# KiCad board Eclipse65.kicad_pcb (continued)
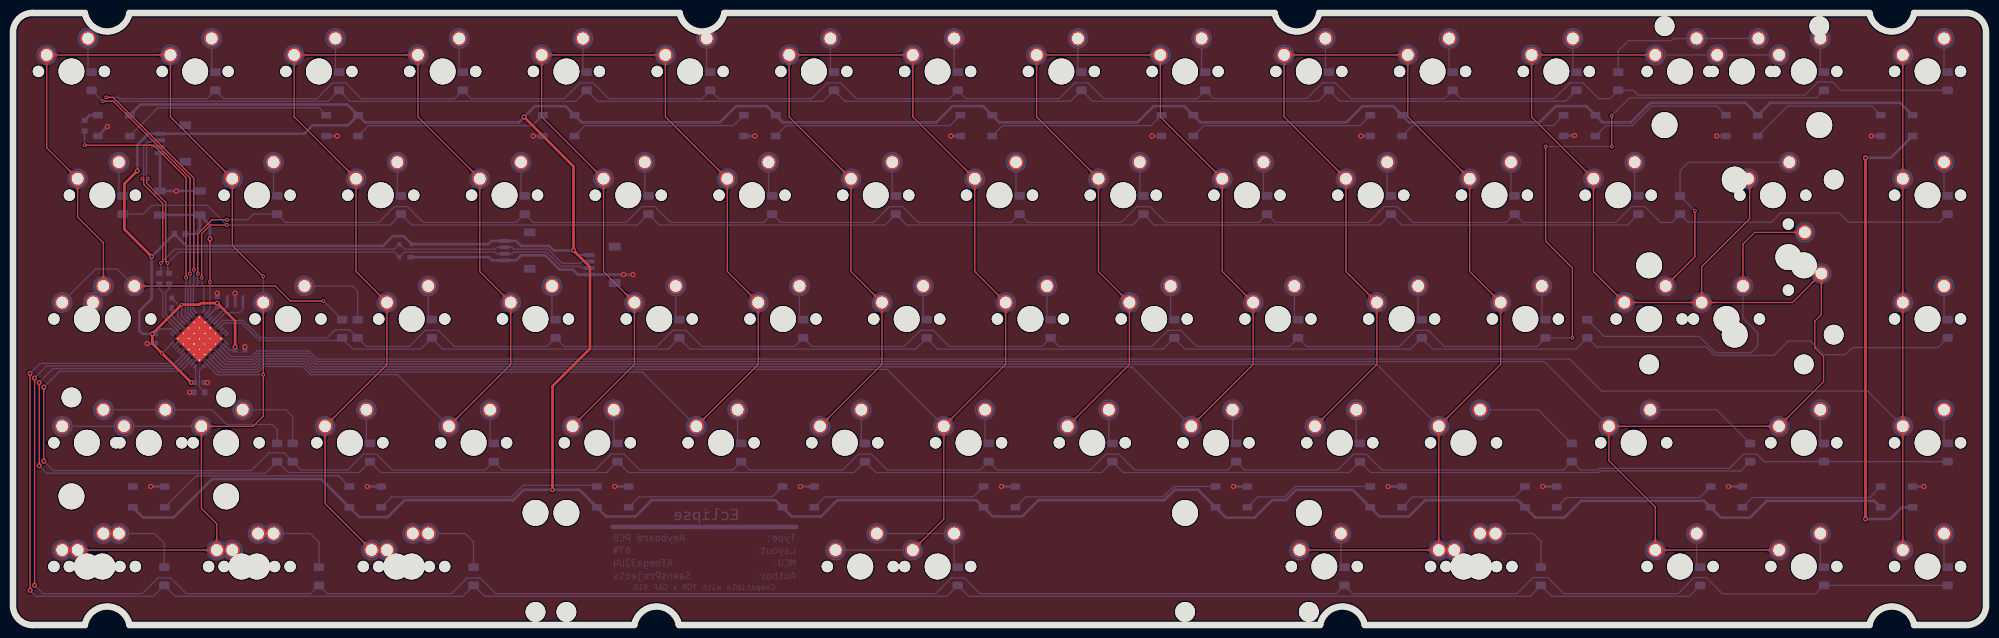
[diagram p0: board, top side]
## Copper pours and planes (outline as drawn; the poured copper is in the pictures) (continued)
Net-(D14-Pad2) on Bottom: 266.33,90.18 266.43,90.18 266.52,90.17 266.61,90.16 266.69,90.15 266.77,90.14 266.84,90.12 266.91,90.1 266.97,90.07 267.03,90.05 267.09,90.02 267.14,89.99 267.19,89.95 267.24,89.92 267.29,89.88 267.72,89.5 267.77,89.46 267.83,89.41 267.9,89.37 267.96,89.33 268.03,89.28 268.11,89.24 268.19,89.2 269.32,90.28 268.19,91.36 268.11,91.32 268.03,91.28 267.96,91.23 267.9,91.19 267.83,91.15 267.77,91.1 267.72,91.06 267.29,90.68 267.24,90.64 267.19,90.61 267.14,90.57 267.09,90.54 267.03,90.51 266.97,90.49 266.91,90.46 266.84,90.44 266.77,90.42 266.69,90.41 266.61,90.4 266.52,90.39 266.43,90.38 266.33,90.38
Net-(D14-Pad2) on Bottom: 265.53,90.18 265.66,90.18 265.79,90.17 265.91,90.16 266.02,90.14 266.12,90.12 266.22,90.09 266.31,90.06 266.39,90.03 266.47,89.99 266.55,89.96 266.62,89.91 266.69,89.87 266.75,89.82 266.81,89.77 266.88,89.72 266.94,89.66 267.24,89.37 267.31,89.31 267.38,89.25 267.46,89.19 267.54,89.13 267.62,89.07 267.71,89.01 267.81,88.95 267.91,88.9 268.02,88.84 269.52,90.28 268.02,91.72 267.91,91.66 267.81,91.61 267.71,91.55 267.62,91.49 267.54,91.43 267.46,91.37 267.38,91.31 267.31,91.25 267.24,91.19 266.94,90.9 266.88,90.84 266.81,90.79 266.75,90.74 266.69,90.69 266.62,90.65 266.55,90.6 266.47,90.57 266.39,90.53 266.31,90.5 266.22,90.47 266.12,90.44 266.02,90.42 265.91,90.4 265.79,90.39 265.66,90.38 265.53,90.38
Net-(D15-Pad2) on Bottom: 278.34,87.09 278.34,87.23 278.35,87.35 278.36,87.47 278.38,87.58 278.4,87.69 278.43,87.78 278.46,87.87 278.49,87.96 278.53,88.04 278.56,88.11 278.61,88.18 278.65,88.25 278.7,88.32 278.75,88.38 278.8,88.44 278.86,88.5 279.15,88.81 279.21,88.88 279.27,88.95 279.33,89.02 279.39,89.1 279.45,89.19 279.51,89.27 279.57,89.37 279.62,89.47 279.68,89.58 278.24,91.08 276.8,89.58 276.86,89.47 276.91,89.37 276.97,89.27 277.03,89.19 277.09,89.1 277.15,89.02 277.21,88.95 277.27,88.88 277.33,88.81 277.62,88.5 277.68,88.44 277.73,88.38 277.78,88.32 277.83,88.25 277.87,88.18 277.92,88.11 277.95,88.04 277.99,87.96 278.02,87.87 278.05,87.78 278.08,87.69 278.1,87.58 278.12,87.47 278.13,87.35 278.14,87.23 278.14,87.09
Net-(D15-Pad2) on Bottom: 278.34,87.89 278.34,87.99 278.35,88.09 278.36,88.18 278.37,88.26 278.38,88.34 278.4,88.41 278.42,88.48 278.45,88.54 278.47,88.6 278.5,88.65 278.53,88.71 278.57,88.76 278.6,88.81 278.64,88.86 279.02,89.28 279.06,89.34 279.11,89.4 279.15,89.46 279.19,89.53 279.24,89.6 279.28,89.68 279.32,89.76 278.24,90.88 277.16,89.76 277.2,89.68 277.24,89.6 277.29,89.53 277.33,89.46 277.37,89.4 277.42,89.34 277.46,89.28 277.84,88.86 277.88,88.81 277.91,88.76 277.95,88.71 277.98,88.65 278.01,88.6 278.03,88.54 278.06,88.48 278.08,88.41 278.1,88.34 278.11,88.26 278.12,88.18 278.13,88.09 278.14,87.99 278.14,87.89
Net-(D16-Pad2) on Bottom: 204.52,10.89 204.52,11.03 204.53,11.15 204.54,11.27 204.56,11.38 204.58,11.49 204.61,11.58 204.64,11.67 204.67,11.76 204.71,11.84 204.75,11.91 204.79,11.98 204.83,12.05 204.88,12.12 204.93,12.18 204.98,12.24 205.04,12.3 205.33,12.61 205.39,12.68 205.45,12.75 205.51,12.82 205.57,12.9 205.63,12.99 205.69,13.07 205.75,13.17 205.81,13.27 205.86,13.38 204.42,14.88 202.98,13.38 203.04,13.27 203.09,13.17 203.15,13.07 203.21,12.99 203.27,12.9 203.33,12.82 203.39,12.75 203.45,12.68 203.51,12.61 203.8,12.3 203.86,12.24 203.91,12.18 203.96,12.12 204.01,12.05 204.05,11.98 204.1,11.91 204.14,11.84 204.17,11.76 204.21,11.67 204.23,11.58 204.26,11.49 204.28,11.38 204.3,11.27 204.31,11.15 204.32,11.03 204.32,10.89
Net-(D16-Pad2) on Bottom: 204.52,11.69 204.52,11.79 204.53,11.89 204.54,11.98 204.55,12.06 204.57,12.14 204.58,12.21 204.61,12.28 204.63,12.34 204.66,12.4 204.68,12.45 204.72,12.51 204.75,12.56 204.78,12.61 204.82,12.66 205.2,13.08 205.24,13.14 205.29,13.2 205.33,13.26 205.37,13.33 205.42,13.4 205.46,13.48 205.5,13.56 204.42,14.68 203.34,13.56 203.38,13.48 203.43,13.4 203.47,13.33 203.51,13.26 203.56,13.2 203.6,13.14 203.64,13.08 204.02,12.66 204.06,12.61 204.09,12.56 204.13,12.51 204.16,12.45 204.19,12.4 204.21,12.34 204.24,12.28 204.26,12.21 204.28,12.14 204.29,12.06 204.3,11.98 204.31,11.89 204.32,11.79 204.32,11.69
Net-(D17-Pad2) on Bottom: 16.4,68.04 16.41,68.18 16.41,68.3 16.43,68.42 16.44,68.53 16.46,68.64 16.49,68.73 16.52,68.82 16.55,68.91 16.59,68.99 16.63,69.06 16.67,69.13 16.72,69.2 16.76,69.27 16.81,69.33 16.87,69.39 16.92,69.45 17.21,69.76 17.27,69.83 17.33,69.9 17.39,69.97 17.45,70.05 17.51,70.14 17.57,70.22 17.63,70.32 17.69,70.42 17.74,70.53 16.3,72.03 14.86,70.53 14.92,70.42 14.98,70.32 15.03,70.22 15.09,70.14 15.15,70.05 15.21,69.97 15.27,69.9 15.33,69.83 15.39,69.76 15.69,69.45 15.74,69.39 15.79,69.33 15.84,69.27 15.89,69.2 15.93,69.13 15.98,69.06 16.02,68.99 16.05,68.91 16.09,68.82 16.12,68.73 16.14,68.64 16.16,68.53 16.18,68.42 16.19,68.3 16.2,68.18 16.2,68.04
Net-(D17-Pad2) on Bottom: 16.4,68.84 16.4,68.94 16.41,69.04 16.42,69.13 16.43,69.21 16.45,69.29 16.47,69.36 16.49,69.43 16.51,69.49 16.54,69.55 16.57,69.6 16.6,69.66 16.63,69.71 16.66,69.76 16.7,69.81 17.08,70.23 17.12,70.29 17.17,70.35 17.21,70.41 17.26,70.48 17.3,70.55 17.34,70.63 17.38,70.71 16.3,71.83 15.22,70.71 15.26,70.63 15.31,70.55 15.35,70.48 15.39,70.41 15.44,70.35 15.48,70.29 15.53,70.23 15.9,69.81 15.94,69.76 15.98,69.71 16.01,69.66 16.04,69.6 16.07,69.55 16.09,69.49 16.12,69.43 16.14,69.36 16.16,69.29 16.17,69.21 16.19,69.13 16.2,69.04 16.2,68.94 16.2,68.84
Net-(D18-Pad2) on Bottom: 40.22,68.04 40.22,68.18 40.23,68.3 40.24,68.42 40.25,68.53 40.28,68.64 40.3,68.73 40.33,68.82 40.36,68.91 40.4,68.99 40.44,69.06 40.48,69.13 40.53,69.2 40.58,69.27 40.63,69.33 40.68,69.39 40.73,69.45 41.02,69.76 41.08,69.83 41.14,69.9 41.2,69.97 41.26,70.05 41.32,70.14 41.38,70.22 41.44,70.32 41.5,70.42 41.56,70.53 40.12,72.03 38.68,70.53 38.73,70.42 38.79,70.32 38.85,70.22 38.91,70.14 38.97,70.05 39.03,69.97 39.09,69.9 39.15,69.83 39.21,69.76 39.5,69.45 39.55,69.39 39.6,69.33 39.65,69.27 39.7,69.2 39.75,69.13 39.79,69.06 39.83,68.99 39.87,68.91 39.9,68.82 39.93,68.73 39.95,68.64 39.98,68.53 39.99,68.42 40,68.3 40.01,68.18 40.02,68.04
Net-(D18-Pad2) on Bottom: 40.22,68.84 40.22,68.94 40.22,69.04 40.23,69.13 40.24,69.21 40.26,69.29 40.28,69.36 40.3,69.43 40.32,69.49 40.35,69.55 40.38,69.6 40.41,69.66 40.44,69.71 40.48,69.76 40.51,69.81 40.89,70.23 40.94,70.29 40.98,70.35 41.02,70.41 41.07,70.48 41.11,70.55 41.15,70.63 41.2,70.71 40.12,71.83 39.04,70.71 39.08,70.63 39.12,70.55 39.16,70.48 39.21,70.41 39.25,70.35 39.29,70.29 39.34,70.23 39.72,69.81 39.75,69.76 39.79,69.71 39.82,69.66 39.85,69.6 39.88,69.55 39.91,69.49 39.93,69.43 39.95,69.36 39.97,69.29 39.99,69.21 40,69.13 40.01,69.04 40.01,68.94 40.02,68.84
Net-(D19-Pad2) on Bottom: 59.27,68.04 59.27,68.18 59.28,68.3 59.29,68.42 59.3,68.53 59.33,68.64 59.35,68.73 59.38,68.82 59.41,68.91 59.45,68.99 59.49,69.06 59.53,69.13 59.58,69.2 59.63,69.27 59.68,69.33 59.73,69.39 59.78,69.45 60.07,69.76 60.13,69.83 60.19,69.9 60.25,69.97 60.31,70.05 60.37,70.14 60.43,70.22 60.49,70.32 60.55,70.42 60.61,70.53 59.17,72.03 57.73,70.53 57.78,70.42 57.84,70.32 57.9,70.22 57.96,70.14 58.02,70.05 58.08,69.97 58.14,69.9 58.2,69.83 58.26,69.76 58.55,69.45 58.6,69.39 58.65,69.33 58.7,69.27 58.75,69.2 58.8,69.13 58.84,69.06 58.88,68.99 58.92,68.91 58.95,68.82 58.98,68.73 59,68.64 59.03,68.53 59.04,68.42 59.05,68.3 59.06,68.18 59.07,68.04
Net-(D19-Pad2) on Bottom: 59.27,68.84 59.27,68.94 59.27,69.04 59.28,69.13 59.29,69.21 59.31,69.29 59.33,69.36 59.35,69.43 59.37,69.49 59.4,69.55 59.43,69.6 59.46,69.66 59.49,69.71 59.53,69.76 59.56,69.81 59.94,70.23 59.99,70.29 60.03,70.35 60.07,70.41 60.12,70.48 60.16,70.55 60.2,70.63 60.25,70.71 59.17,71.83 58.09,70.71 58.13,70.63 58.17,70.55 58.21,70.48 58.26,70.41 58.3,70.35 58.34,70.29 58.39,70.23 58.77,69.81 58.8,69.76 58.84,69.71 58.87,69.66 58.9,69.6 58.93,69.55 58.96,69.49 58.98,69.43 59,69.36 59.02,69.29 59.04,69.21 59.05,69.13 59.06,69.04 59.06,68.94 59.07,68.84
Net-(D20-Pad2) on Bottom: 78.32,68.04 78.32,68.18 78.33,68.3 78.34,68.42 78.35,68.53 78.38,68.64 78.4,68.73 78.43,68.82 78.46,68.91 78.5,68.99 78.54,69.06 78.58,69.13 78.63,69.2 78.68,69.27 78.73,69.33 78.78,69.39 78.83,69.45 79.12,69.76 79.18,69.83 79.24,69.9 79.3,69.97 79.36,70.05 79.42,70.14 79.48,70.22 79.54,70.32 79.6,70.42 79.66,70.53 78.22,72.03 76.78,70.53 76.83,70.42 76.89,70.32 76.95,70.22 77.01,70.14 77.07,70.05 77.13,69.97 77.19,69.9 77.25,69.83 77.31,69.76 77.6,69.45 77.65,69.39 77.7,69.33 77.75,69.27 77.8,69.2 77.85,69.13 77.89,69.06 77.93,68.99 77.97,68.91 78,68.82 78.03,68.73 78.05,68.64 78.08,68.53 78.09,68.42 78.1,68.3 78.11,68.18 78.12,68.04
Net-(D20-Pad2) on Bottom: 78.32,68.84 78.32,68.94 78.32,69.04 78.33,69.13 78.34,69.21 78.36,69.29 78.38,69.36 78.4,69.43 78.42,69.49 78.45,69.55 78.48,69.6 78.51,69.66 78.54,69.71 78.58,69.76 78.61,69.81 78.99,70.23 79.04,70.29 79.08,70.35 79.12,70.41 79.17,70.48 79.21,70.55 79.25,70.63 79.3,70.71 78.22,71.83 77.14,70.71 77.18,70.63 77.22,70.55 77.26,70.48 77.31,70.41 77.35,70.35 77.39,70.29 77.44,70.23 77.82,69.81 77.85,69.76 77.89,69.71 77.92,69.66 77.95,69.6 77.98,69.55 78.01,69.49 78.03,69.43 78.05,69.36 78.07,69.29 78.09,69.21 78.1,69.13 78.11,69.04 78.11,68.94 78.12,68.84
Net-(D21-Pad2) on Bottom: 97.37,68.04 97.37,68.18 97.38,68.3 97.39,68.42 97.4,68.53 97.43,68.64 97.45,68.73 97.48,68.82 97.51,68.91 97.55,68.99 97.59,69.06 97.63,69.13 97.68,69.2 97.73,69.27 97.78,69.33 97.83,69.39 97.88,69.45 98.17,69.76 98.23,69.83 98.29,69.9 98.35,69.97 98.41,70.05 98.47,70.14 98.53,70.22 98.59,70.32 98.65,70.42 98.71,70.53 97.27,72.03 95.83,70.53 95.88,70.42 95.94,70.32 96,70.22 96.06,70.14 96.12,70.05 96.18,69.97 96.24,69.9 96.3,69.83 96.36,69.76 96.65,69.45 96.7,69.39 96.75,69.33 96.8,69.27 96.85,69.2 96.9,69.13 96.94,69.06 96.98,68.99 97.02,68.91 97.05,68.82 97.08,68.73 97.1,68.64 97.13,68.53 97.14,68.42 97.15,68.3 97.16,68.18 97.17,68.04
Net-(D21-Pad2) on Bottom: 97.37,68.84 97.37,68.94 97.37,69.04 97.38,69.13 97.39,69.21 97.41,69.29 97.43,69.36 97.45,69.43 97.47,69.49 97.5,69.55 97.53,69.6 97.56,69.66 97.59,69.71 97.63,69.76 97.66,69.81 98.04,70.23 98.09,70.29 98.13,70.35 98.17,70.41 98.22,70.48 98.26,70.55 98.3,70.63 98.35,70.71 97.27,71.83 96.19,70.71 96.23,70.63 96.27,70.55 96.31,70.48 96.36,70.41 96.4,70.35 96.44,70.29 96.49,70.23 96.87,69.81 96.9,69.76 96.94,69.71 96.97,69.66 97,69.6 97.03,69.55 97.06,69.49 97.08,69.43 97.1,69.36 97.12,69.29 97.14,69.21 97.15,69.13 97.16,69.04 97.16,68.94 97.17,68.84
Net-(D22-Pad2) on Bottom: 116.42,68.04 116.42,68.18 116.43,68.3 116.44,68.42 116.45,68.53 116.48,68.64 116.5,68.73 116.53,68.82 116.56,68.91 116.6,68.99 116.64,69.06 116.68,69.13 116.73,69.2 116.78,69.27 116.83,69.33 116.88,69.39 116.93,69.45 117.22,69.76 117.28,69.83 117.34,69.9 117.4,69.97 117.46,70.05 117.52,70.14 117.58,70.22 117.64,70.32 117.7,70.42 117.76,70.53 116.32,72.03 114.88,70.53 114.93,70.42 114.99,70.32 115.05,70.22 115.11,70.14 115.17,70.05 115.23,69.97 115.29,69.9 115.35,69.83 115.41,69.76 115.7,69.45 115.75,69.39 115.8,69.33 115.85,69.27 115.9,69.2 115.95,69.13 115.99,69.06 116.03,68.99 116.07,68.91 116.1,68.82 116.13,68.73 116.15,68.64 116.18,68.53 116.19,68.42 116.2,68.3 116.21,68.18 116.22,68.04
Net-(D22-Pad2) on Bottom: 116.42,68.84 116.42,68.94 116.42,69.04 116.43,69.13 116.44,69.21 116.46,69.29 116.48,69.36 116.5,69.43 116.52,69.49 116.55,69.55 116.58,69.6 116.61,69.66 116.64,69.71 116.68,69.76 116.71,69.81 117.09,70.23 117.14,70.29 117.18,70.35 117.22,70.41 117.27,70.48 117.31,70.55 117.35,70.63 117.4,70.71 116.32,71.83 115.24,70.71 115.28,70.63 115.32,70.55 115.36,70.48 115.41,70.41 115.45,70.35 115.49,70.29 115.54,70.23 115.92,69.81 115.95,69.76 115.99,69.71 116.02,69.66 116.05,69.6 116.08,69.55 116.11,69.49 116.13,69.43 116.15,69.36 116.17,69.29 116.19,69.21 116.2,69.13 116.21,69.04 116.21,68.94 116.22,68.84
Net-(D23-Pad2) on Bottom: 135.47,68.04 135.47,68.18 135.48,68.3 135.49,68.42 135.5,68.53 135.53,68.64 135.55,68.73 135.58,68.82 135.61,68.91 135.65,68.99 135.69,69.06 135.73,69.13 135.78,69.2 135.83,69.27 135.88,69.33 135.93,69.39 135.98,69.45 136.27,69.76 136.33,69.83 136.39,69.9 136.45,69.97 136.51,70.05 136.57,70.14 136.63,70.22 136.69,70.32 136.75,70.42 136.81,70.53 135.37,72.03 133.93,70.53 133.98,70.42 134.04,70.32 134.1,70.22 134.16,70.14 134.22,70.05 134.28,69.97 134.34,69.9 134.4,69.83 134.46,69.76 134.75,69.45 134.8,69.39 134.85,69.33 134.9,69.27 134.95,69.2 135,69.13 135.04,69.06 135.08,68.99 135.12,68.91 135.15,68.82 135.18,68.73 135.2,68.64 135.23,68.53 135.24,68.42 135.25,68.3 135.26,68.18 135.27,68.04
Net-(D23-Pad2) on Bottom: 135.47,68.84 135.47,68.94 135.47,69.04 135.48,69.13 135.49,69.21 135.51,69.29 135.53,69.36 135.55,69.43 135.57,69.49 135.6,69.55 135.63,69.6 135.66,69.66 135.69,69.71 135.73,69.76 135.76,69.81 136.14,70.23 136.19,70.29 136.23,70.35 136.27,70.41 136.32,70.48 136.36,70.55 136.4,70.63 136.45,70.71 135.37,71.83 134.29,70.71 134.33,70.63 134.37,70.55 134.41,70.48 134.46,70.41 134.5,70.35 134.54,70.29 134.59,70.23 134.97,69.81 135,69.76 135.04,69.71 135.07,69.66 135.1,69.6 135.13,69.55 135.16,69.49 135.18,69.43 135.2,69.36 135.22,69.29 135.24,69.21 135.25,69.13 135.26,69.04 135.26,68.94 135.27,68.84
Net-(D24-Pad2) on Bottom: 154.52,68.04 154.52,68.18 154.53,68.3 154.54,68.42 154.55,68.53 154.58,68.64 154.6,68.73 154.63,68.82 154.66,68.91 154.7,68.99 154.74,69.06 154.78,69.13 154.83,69.2 154.88,69.27 154.93,69.33 154.98,69.39 155.03,69.45 155.32,69.76 155.38,69.83 155.44,69.9 155.5,69.97 155.56,70.05 155.62,70.14 155.68,70.22 155.74,70.32 155.8,70.42 155.86,70.53 154.42,72.03 152.98,70.53 153.03,70.42 153.09,70.32 153.15,70.22 153.21,70.14 153.27,70.05 153.33,69.97 153.39,69.9 153.45,69.83 153.51,69.76 153.8,69.45 153.85,69.39 153.9,69.33 153.95,69.27 154,69.2 154.05,69.13 154.09,69.06 154.13,68.99 154.17,68.91 154.2,68.82 154.23,68.73 154.25,68.64 154.28,68.53 154.29,68.42 154.3,68.3 154.31,68.18 154.32,68.04
Net-(D24-Pad2) on Bottom: 154.52,68.84 154.52,68.94 154.52,69.04 154.53,69.13 154.54,69.21 154.56,69.29 154.58,69.36 154.6,69.43 154.62,69.49 154.65,69.55 154.68,69.6 154.71,69.66 154.74,69.71 154.78,69.76 154.81,69.81 155.19,70.23 155.24,70.29 155.28,70.35 155.32,70.41 155.37,70.48 155.41,70.55 155.45,70.63 155.5,70.71 154.42,71.83 153.34,70.71 153.38,70.63 153.42,70.55 153.46,70.48 153.51,70.41 153.55,70.35 153.59,70.29 153.64,70.23 154.02,69.81 154.05,69.76 154.09,69.71 154.12,69.66 154.15,69.6 154.18,69.55 154.21,69.49 154.23,69.43 154.25,69.36 154.27,69.29 154.29,69.21 154.3,69.13 154.31,69.04 154.31,68.94 154.32,68.84
Net-(D25-Pad2) on Bottom: 173.57,68.04 173.57,68.18 173.58,68.3 173.59,68.42 173.6,68.53 173.63,68.64 173.65,68.73 173.68,68.82 173.71,68.91 173.75,68.99 173.79,69.06 173.83,69.13 173.88,69.2 173.93,69.27 173.98,69.33 174.03,69.39 174.08,69.45 174.37,69.76 174.43,69.83 174.49,69.9 174.55,69.97 174.61,70.05 174.67,70.14 174.73,70.22 174.79,70.32 174.85,70.42 174.91,70.53 173.47,72.03 172.03,70.53 172.08,70.42 172.14,70.32 172.2,70.22 172.26,70.14 172.32,70.05 172.38,69.97 172.44,69.9 172.5,69.83 172.56,69.76 172.85,69.45 172.9,69.39 172.95,69.33 173,69.27 173.05,69.2 173.1,69.13 173.14,69.06 173.18,68.99 173.22,68.91 173.25,68.82 173.28,68.73 173.3,68.64 173.33,68.53 173.34,68.42 173.35,68.3 173.36,68.18 173.37,68.04
Net-(D25-Pad2) on Bottom: 173.57,68.84 173.57,68.94 173.57,69.04 173.58,69.13 173.59,69.21 173.61,69.29 173.63,69.36 173.65,69.43 173.67,69.49 173.7,69.55 173.73,69.6 173.76,69.66 173.79,69.71 173.83,69.76 173.86,69.81 174.24,70.23 174.29,70.29 174.33,70.35 174.37,70.41 174.42,70.48 174.46,70.55 174.5,70.63 174.55,70.71 173.47,71.83 172.39,70.71 172.43,70.63 172.47,70.55 172.51,70.48 172.56,70.41 172.6,70.35 172.64,70.29 172.69,70.23 173.07,69.81 173.1,69.76 173.14,69.71 173.17,69.66 173.2,69.6 173.23,69.55 173.26,69.49 173.28,69.43 173.3,69.36 173.32,69.29 173.34,69.21 173.35,69.13 173.36,69.04 173.36,68.94 173.37,68.84
Net-(D26-Pad2) on Bottom: 192.62,68.04 192.62,68.18 192.63,68.3 192.64,68.42 192.65,68.53 192.68,68.64 192.7,68.73 192.73,68.82 192.76,68.91 192.8,68.99 192.84,69.06 192.88,69.13 192.93,69.2 192.98,69.27 193.03,69.33 193.08,69.39 193.13,69.45 193.42,69.76 193.48,69.83 193.54,69.9 193.6,69.97 193.66,70.05 193.72,70.14 193.78,70.22 193.84,70.32 193.9,70.42 193.96,70.53 192.52,72.03 191.08,70.53 191.13,70.42 191.19,70.32 191.25,70.22 191.31,70.14 191.37,70.05 191.43,69.97 191.49,69.9 191.55,69.83 191.61,69.76 191.9,69.45 191.95,69.39 192,69.33 192.05,69.27 192.1,69.2 192.15,69.13 192.19,69.06 192.23,68.99 192.27,68.91 192.3,68.82 192.33,68.73 192.35,68.64 192.38,68.53 192.39,68.42 192.4,68.3 192.41,68.18 192.42,68.04
Net-(D26-Pad2) on Bottom: 192.62,68.84 192.62,68.94 192.62,69.04 192.63,69.13 192.64,69.21 192.66,69.29 192.68,69.36 192.7,69.43 192.72,69.49 192.75,69.55 192.78,69.6 192.81,69.66 192.84,69.71 192.88,69.76 192.91,69.81 193.29,70.23 193.34,70.29 193.38,70.35 193.42,70.41 193.47,70.48 193.51,70.55 193.55,70.63 193.6,70.71 192.52,71.83 191.44,70.71 191.48,70.63 191.52,70.55 191.56,70.48 191.61,70.41 191.65,70.35 191.69,70.29 191.74,70.23 192.12,69.81 192.15,69.76 192.19,69.71 192.22,69.66 192.25,69.6 192.28,69.55 192.31,69.49 192.33,69.43 192.35,69.36 192.37,69.29 192.39,69.21 192.4,69.13 192.41,69.04 192.41,68.94 192.42,68.84
Net-(D27-Pad2) on Bottom: 211.67,68.04 211.67,68.18 211.68,68.3 211.69,68.42 211.7,68.53 211.73,68.64 211.75,68.73 211.78,68.82 211.81,68.91 211.85,68.99 211.89,69.06 211.93,69.13 211.98,69.2 212.03,69.27 212.08,69.33 212.13,69.39 212.18,69.45 212.47,69.76 212.53,69.83 212.59,69.9 212.65,69.97 212.71,70.05 212.77,70.14 212.83,70.22 212.89,70.32 212.95,70.42 213.01,70.53 211.57,72.03 210.13,70.53 210.18,70.42 210.24,70.32 210.3,70.22 210.36,70.14 210.42,70.05 210.48,69.97 210.54,69.9 210.6,69.83 210.66,69.76 210.95,69.45 211,69.39 211.05,69.33 211.1,69.27 211.15,69.2 211.2,69.13 211.24,69.06 211.28,68.99 211.32,68.91 211.35,68.82 211.38,68.73 211.4,68.64 211.43,68.53 211.44,68.42 211.45,68.3 211.46,68.18 211.47,68.04
Net-(D27-Pad2) on Bottom: 211.67,68.84 211.67,68.94 211.67,69.04 211.68,69.13 211.69,69.21 211.71,69.29 211.73,69.36 211.75,69.43 211.77,69.49 211.8,69.55 211.83,69.6 211.86,69.66 211.89,69.71 211.93,69.76 211.96,69.81 212.34,70.23 212.39,70.29 212.43,70.35 212.47,70.41 212.52,70.48 212.56,70.55 212.6,70.63 212.65,70.71 211.57,71.83 210.49,70.71 210.53,70.63 210.57,70.55 210.61,70.48 210.66,70.41 210.7,70.35 210.74,70.29 210.79,70.23 211.17,69.81 211.2,69.76 211.24,69.71 211.27,69.66 211.3,69.6 211.33,69.55 211.36,69.49 211.38,69.43 211.4,69.36 211.42,69.29 211.44,69.21 211.45,69.13 211.46,69.04 211.46,68.94 211.47,68.84
Net-(D28-Pad2) on Bottom: 230.72,68.04 230.72,68.18 230.73,68.3 230.74,68.42 230.75,68.53 230.78,68.64 230.8,68.73 230.83,68.82 230.86,68.91 230.9,68.99 230.94,69.06 230.98,69.13 231.03,69.2 231.08,69.27 231.13,69.33 231.18,69.39 231.23,69.45 231.52,69.76 231.58,69.83 231.64,69.9 231.7,69.97 231.76,70.05 231.82,70.14 231.88,70.22 231.94,70.32 232,70.42 232.06,70.53 230.62,72.03 229.18,70.53 229.23,70.42 229.29,70.32 229.35,70.22 229.41,70.14 229.47,70.05 229.53,69.97 229.59,69.9 229.65,69.83 229.71,69.76 230,69.45 230.05,69.39 230.1,69.33 230.15,69.27 230.2,69.2 230.25,69.13 230.29,69.06 230.33,68.99 230.37,68.91 230.4,68.82 230.43,68.73 230.45,68.64 230.48,68.53 230.49,68.42 230.5,68.3 230.51,68.18 230.52,68.04
Net-(D28-Pad2) on Bottom: 230.72,68.84 230.72,68.94 230.72,69.04 230.73,69.13 230.74,69.21 230.76,69.29 230.78,69.36 230.8,69.43 230.82,69.49 230.85,69.55 230.88,69.6 230.91,69.66 230.94,69.71 230.98,69.76 231.01,69.81 231.39,70.23 231.44,70.29 231.48,70.35 231.52,70.41 231.57,70.48 231.61,70.55 231.65,70.63 231.7,70.71 230.62,71.83 229.54,70.71 229.58,70.63 229.62,70.55 229.66,70.48 229.71,70.41 229.75,70.35 229.79,70.29 229.84,70.23 230.22,69.81 230.25,69.76 230.29,69.71 230.32,69.66 230.35,69.6 230.38,69.55 230.41,69.49 230.43,69.43 230.45,69.36 230.47,69.29 230.49,69.21 230.5,69.13 230.51,69.04 230.51,68.94 230.52,68.84
Net-(D29-Pad2) on Bottom: 249.77,68.04 249.77,68.18 249.78,68.3 249.79,68.42 249.8,68.53 249.83,68.64 249.85,68.73 249.88,68.82 249.91,68.91 249.95,68.99 249.99,69.06 250.03,69.13 250.08,69.2 250.13,69.27 250.18,69.33 250.23,69.39 250.28,69.45 250.57,69.76 250.63,69.83 250.69,69.9 250.75,69.97 250.81,70.05 250.87,70.14 250.93,70.22 250.99,70.32 251.05,70.42 251.11,70.53 249.67,72.03 248.23,70.53 248.28,70.42 248.34,70.32 248.4,70.22 248.46,70.14 248.52,70.05 248.58,69.97 248.64,69.9 248.7,69.83 248.76,69.76 249.05,69.45 249.1,69.39 249.15,69.33 249.2,69.27 249.25,69.2 249.3,69.13 249.34,69.06 249.38,68.99 249.42,68.91 249.45,68.82 249.48,68.73 249.5,68.64 249.53,68.53 249.54,68.42 249.55,68.3 249.56,68.18 249.57,68.04
Net-(D29-Pad2) on Bottom: 249.77,68.84 249.77,68.94 249.77,69.04 249.78,69.13 249.79,69.21 249.81,69.29 249.83,69.36 249.85,69.43 249.87,69.49 249.9,69.55 249.93,69.6 249.96,69.66 249.99,69.71 250.03,69.76 250.06,69.81 250.44,70.23 250.49,70.29 250.53,70.35 250.57,70.41 250.62,70.48 250.66,70.55 250.7,70.63 250.75,70.71 249.67,71.83 248.59,70.71 248.63,70.63 248.67,70.55 248.71,70.48 248.76,70.41 248.8,70.35 248.84,70.29 248.89,70.23 249.27,69.81 249.3,69.76 249.34,69.71 249.37,69.66 249.4,69.6 249.43,69.55 249.46,69.49 249.48,69.43 249.5,69.36 249.52,69.29 249.54,69.21 249.55,69.13 249.56,69.04 249.56,68.94 249.57,68.84
Net-(D30-Pad2) on Top: 256.05,53.94 255.97,53.87 255.9,53.81 255.83,53.75 255.77,53.7 255.7,53.66 255.64,53.62 255.57,53.59 255.51,53.56 255.45,53.53 255.39,53.52 255.33,53.5 255.27,53.49 255.21,53.48 255.15,53.47 254.58,53.43 254.51,53.43 254.44,53.42 254.36,53.4 254.29,53.39 254.2,53.37 254.12,53.34 254.03,53.31 254,51.76 255.56,51.79 255.59,51.87 255.61,51.96 255.63,52.04 255.65,52.12 255.66,52.19 255.67,52.26 255.68,52.34 255.72,52.91 255.72,52.96 255.73,53.02 255.75,53.08 255.76,53.14 255.78,53.2 255.81,53.26 255.83,53.33 255.87,53.39 255.9,53.45 255.95,53.52 256,53.59 256.05,53.65 256.12,53.73 256.19,53.8
Net-(D30-Pad2) on Bottom: 256.55,67.24 256.11,66.31 256.65,65.75 257.19,66.31 256.75,67.24
Net-(D30-Pad2) on Bottom: 271.09,71.13 271.19,71.13 271.28,71.12 271.37,71.11 271.46,71.1 271.53,71.09 271.61,71.07 271.67,71.05 271.74,71.02 271.8,71 271.85,70.97 271.91,70.94 271.96,70.9 272.01,70.87 272.05,70.83 272.48,70.45 272.54,70.41 272.6,70.36 272.66,70.32 272.73,70.28 272.8,70.23 272.87,70.19 272.95,70.15 274.08,71.23 272.95,72.31 272.87,72.27 272.8,72.23 272.73,72.18 272.66,72.14 272.6,72.1 272.54,72.05 272.48,72.01 272.05,71.63 272.01,71.59 271.96,71.56 271.91,71.52 271.85,71.49 271.8,71.46 271.74,71.44 271.67,71.41 271.61,71.39 271.53,71.37 271.46,71.36 271.37,71.35 271.28,71.34 271.19,71.33 271.09,71.33
Net-(D30-Pad2) on Bottom: 270.29,71.13 270.42,71.13 270.55,71.12 270.67,71.11 270.78,71.09 270.88,71.07 270.98,71.04 271.07,71.01 271.16,70.98 271.23,70.94 271.31,70.91 271.38,70.86 271.45,70.82 271.51,70.77 271.58,70.72 271.64,70.67 271.7,70.61 272.01,70.32 272.07,70.26 272.15,70.2 272.22,70.14 272.3,70.08 272.38,70.02 272.47,69.96 272.57,69.9 272.67,69.85 272.78,69.79 274.28,71.23 272.78,72.67 272.67,72.61 272.57,72.56 272.47,72.5 272.38,72.44 272.3,72.38 272.22,72.32 272.15,72.26 272.07,72.2 272.01,72.14 271.7,71.85 271.64,71.79 271.58,71.74 271.51,71.69 271.45,71.64 271.38,71.6 271.31,71.55 271.23,71.52 271.16,71.48 271.07,71.45 270.98,71.42 270.88,71.39 270.78,71.37 270.67,71.35 270.55,71.34 270.42,71.33 270.29,71.33
Net-(D30-Pad2) on Bottom: 257.56,65.28 257.22,66.25 256.44,66.26 256.45,65.48 257.42,65.14
Net-(D31-Pad2) on Bottom: 297.39,87.89 297.39,87.99 297.4,88.09 297.41,88.18 297.42,88.26 297.43,88.34 297.45,88.41 297.47,88.48 297.5,88.54 297.52,88.6 297.55,88.65 297.58,88.71 297.62,88.76 297.65,88.81 297.69,88.86 298.07,89.28 298.11,89.34 298.16,89.4 298.2,89.46 298.24,89.53 298.29,89.6 298.33,89.68 298.37,89.76 297.29,90.88 296.21,89.76 296.25,89.68 296.29,89.6 296.34,89.53 296.38,89.46 296.42,89.4 296.47,89.34 296.51,89.28 296.89,88.86 296.93,88.81 296.96,88.76 297,88.71 297.03,88.65 297.06,88.6 297.08,88.54 297.11,88.48 297.13,88.41 297.15,88.34 297.16,88.26 297.17,88.18 297.18,88.09 297.19,87.99 297.19,87.89
Net-(D31-Pad2) on Bottom: 297.39,87.09 297.39,87.23 297.4,87.35 297.41,87.47 297.43,87.58 297.45,87.69 297.48,87.78 297.51,87.87 297.54,87.96 297.58,88.04 297.61,88.11 297.66,88.18 297.7,88.25 297.75,88.32 297.8,88.38 297.85,88.44 297.91,88.5 298.2,88.81 298.26,88.88 298.32,88.95 298.38,89.02 298.44,89.1 298.5,89.19 298.56,89.27 298.62,89.37 298.67,89.47 298.73,89.58 297.29,91.08 295.85,89.58 295.91,89.47 295.96,89.37 296.02,89.27 296.08,89.19 296.14,89.1 296.2,89.02 296.26,88.95 296.32,88.88 296.38,88.81 296.67,88.5 296.73,88.44 296.78,88.38 296.83,88.32 296.88,88.25 296.92,88.18 296.97,88.11 297,88.04 297.04,87.96 297.07,87.87 297.1,87.78 297.13,87.69 297.15,87.58 297.17,87.47 297.18,87.35 297.19,87.23 297.19,87.09
Net-(D32-Pad2) on Bottom: 297.39,68.84 297.39,68.94 297.4,69.04 297.41,69.13 297.42,69.21 297.43,69.29 297.45,69.36 297.47,69.43 297.5,69.49 297.52,69.55 297.55,69.6 297.58,69.66 297.62,69.71 297.65,69.76 297.69,69.81 298.07,70.23 298.11,70.29 298.16,70.35 298.2,70.41 298.24,70.48 298.29,70.55 298.33,70.63 298.37,70.71 297.29,71.83 296.21,70.71 296.25,70.63 296.29,70.55 296.34,70.48 296.38,70.41 296.42,70.35 296.47,70.29 296.51,70.23 296.89,69.81 296.93,69.76 296.96,69.71 297,69.66 297.03,69.6 297.06,69.55 297.08,69.49 297.11,69.43 297.13,69.36 297.15,69.29 297.16,69.21 297.17,69.13 297.18,69.04 297.19,68.94 297.19,68.84
